# Altium PCB slave.PcbDoc (part 2 of 7)
Units mm, origin at the board's own origin, x right, y up, seen from the top; angles counter-clockwise.
Board outline 260 x 70 mm, 6 copper layers (Top, FUSED_VBAT-, Signals1, Signals2, SUPPLY, Bottom), stack 1.67 mm thick; 597 components, 381 nets, 1695 pads, 3029 vias.
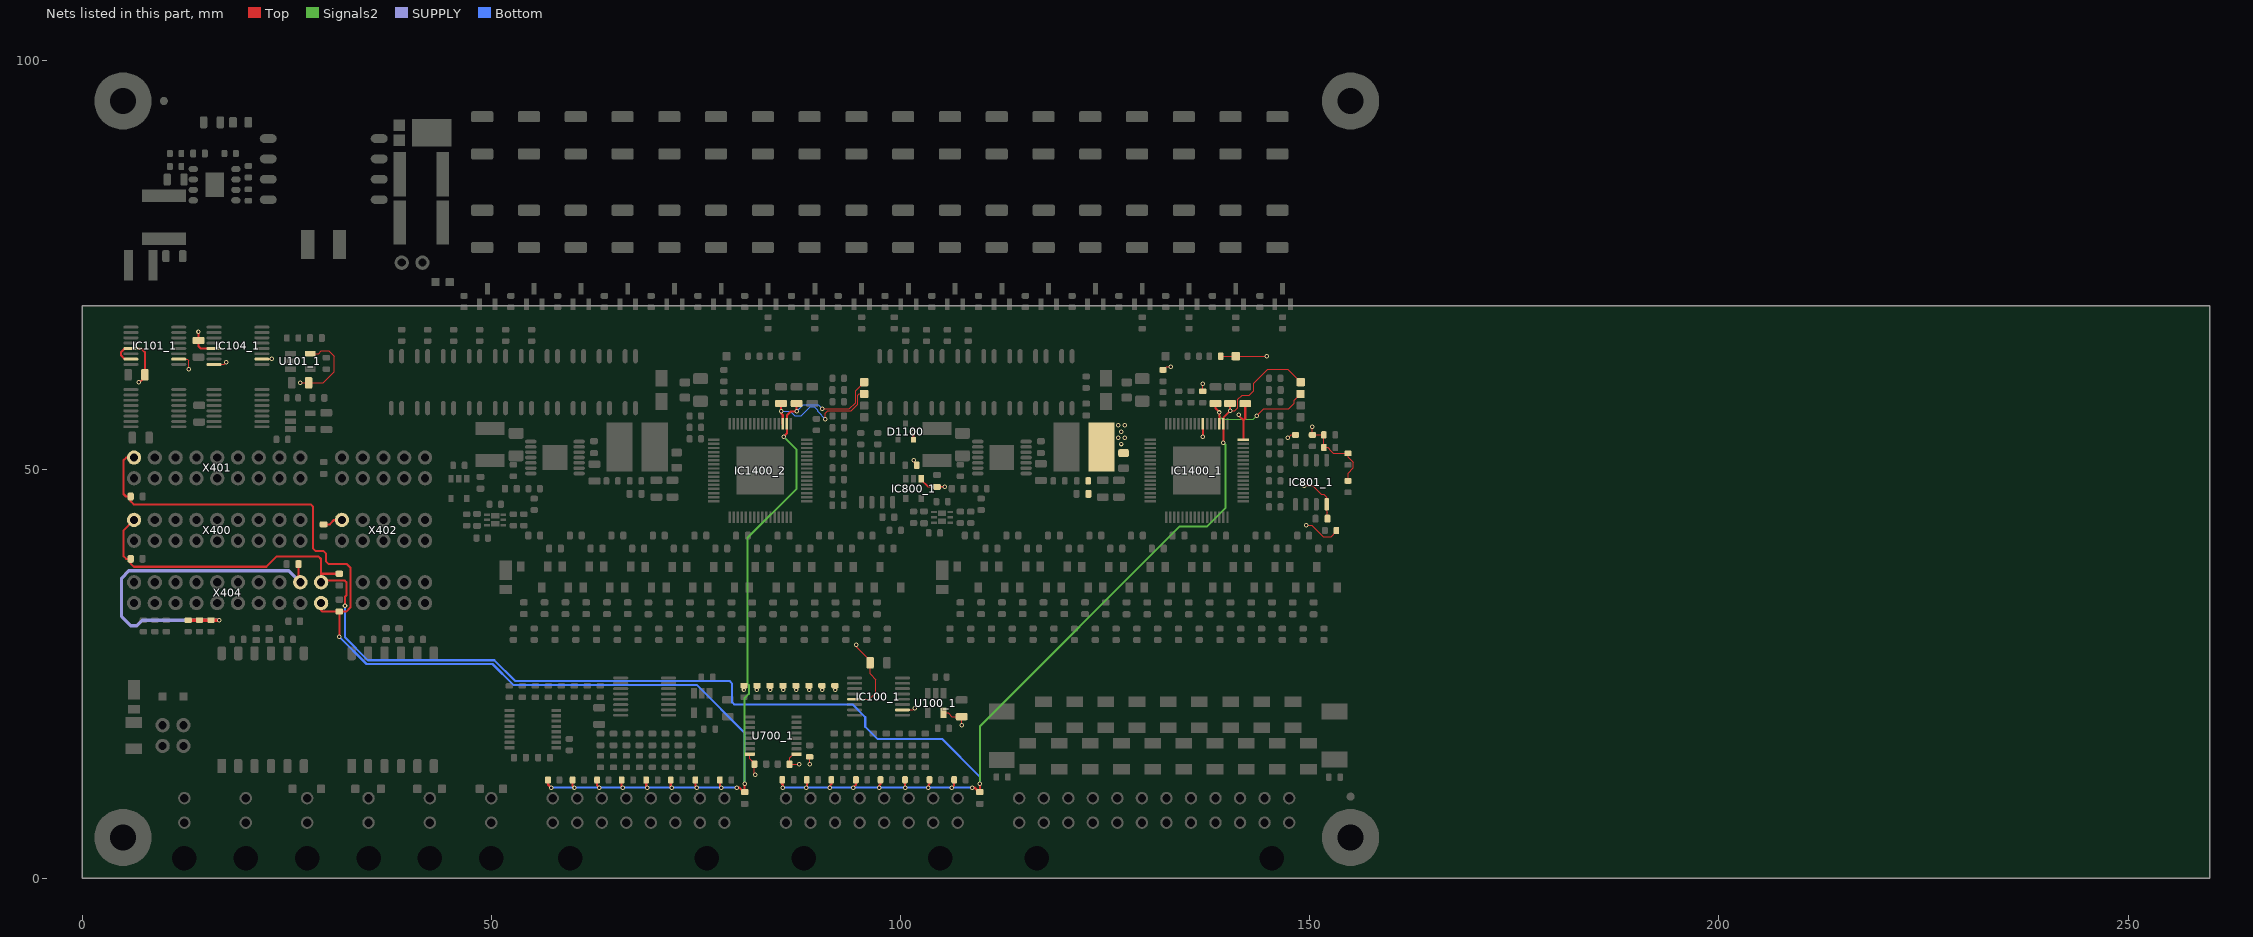
[diagram p6: the nets of this part, all layers, seen from the top]

## Components (designator, comment, footprint, x,y, rotation, side; value= is the part's Value field where it differs from the comment) (continued)
Z1312_1 "MMSZ4692T1G" ONSC-SOD-123-2-425-04_V 108.585,38.1 r0 top locked (schematic designator Z1312)
Z1312_2 "MMSZ4692T1G" ONSC-SOD-123-2-425-04_V 55.245,38.1 r0 top locked (schematic designator Z1312)
Z1313_1 "MMSZ4692T1G" ONSC-SOD-123-2-425-04_V 111.125,35.56 r0 top locked (schematic designator Z1313)
Z1313_2 "MMSZ4692T1G" ONSC-SOD-123-2-425-04_V 57.785,35.56 r0 top locked (schematic designator Z1313)
Z1314_1 "MMSZ4692T1G" ONSC-SOD-123-2-425-04_V 113.665,38.1 r0 top locked (schematic designator Z1314)
Z1314_2 "MMSZ4692T1G" ONSC-SOD-123-2-425-04_V 60.325,38.1 r0 top locked (schematic designator Z1314)
Z1315_1 "MMSZ4692T1G" ONSC-SOD-123-2-425-04_V 116.205,35.56 r0 top locked (schematic designator Z1315)
Z1315_2 "MMSZ4692T1G" ONSC-SOD-123-2-425-04_V 62.865,35.56 r0 top locked (schematic designator Z1315)
Z1316_1 "MMSZ4692T1G" ONSC-SOD-123-2-425-04_V 118.725,38.1 r0 top locked (schematic designator Z1316)
Z1316_2 "MMSZ4692T1G" ONSC-SOD-123-2-425-04_V 65.405,38.1 r0 top locked (schematic designator Z1316)
Z1317_1 "MMSZ4692T1G" ONSC-SOD-123-2-425-04_V 121.285,35.56 r0 top locked (schematic designator Z1317)
Z1317_2 "MMSZ4692T1G" ONSC-SOD-123-2-425-04_V 67.945,35.56 r0 top locked (schematic designator Z1317)

## Footprints (in the part's own frame and the unit in brackets; to place one, negate y for a bottom-side part, rotate by r counter-clockwise, add the part's x,y. Pads: shape width x height; smd on the part's side, far side on the other; paste and mask are expansions set on the pad)
ADI-RJ-5_M [mm] "SOT-23, 5-Leads, Body 2.9x1.6mm, Pitch 0.95mm, IPC Low Density"
  rect 1.3x0.7 smd: 1(-1.2,0.95) 2(-1.2,0) 3(-1.2,-0.95) 4(1.2,-0.95) 5(1.2,0.95)
  silkscreen extent -1.32,-1.5 0.15,1.98, body extent -0.85,-1.5 0.85,1.5, height 1.45
ADI-RU-16_M [mm] "SOP, 16-Leads, Body 5x4.4mm, Pitch 0.65mm, IPC Low Density"
  oval 1.85x0.35 smd: 1(-2.925,2.275) 2(-2.925,1.625) 3(-2.925,0.975) 4(-2.925,0.325) 5(-2.925,-0.325) 6(-2.925,-0.975) 7(-2.925,-1.625) 8(-2.925,-2.275) 9(2.925,-2.275) 10(2.925,-1.625) 11(2.925,-0.975) 12(2.925,-0.325) 13(2.925,0.325) 14(2.925,0.975) 15(2.925,1.625) 16(2.925,2.275)
  silkscreen extent -3.05,-2.55 1.6,3.12, body extent -2.25,-2.55 2.25,2.55, height 1.2
CAPC1608X08N [mm] "Chip Capacitor, 2-Leads, Body 1,60x0,80mm, IPC Medium Density"
  rrect50% 0.75x0.95 smd: 1(-0.725,0) 2(0.725,0)
  body extent -0.85,-0.45 0.85,0.45, height 0.8
CAPC2012X14N [mm] "Chip Capacitor, 2-Leads, Body 2,00x1,25mm, IPC Medium Density"
  rrect40% 0.9x1.45 smd: 1(-1.025,0) 2(1.025,0)
  silkscreen extent -0.2,-0.63 0.2,0.63, body extent -1.1,-0.72 1.1,0.72, height 1.45
CAPC2220(5750)230_N [mm] "Chip Capacitor, Body 5.7x5.0mm, Height 2.3mm, IPC Medium Density"
  rect 1.55x5.4 smd: 1(-2.625,0) 2(2.625,0)
  silkscreen extent -1.45,-2.6 1.45,2.6, body extent -3.05,-2.7 3.05,2.7, height 2.3
CAPC3216X18N [mm] "Chip Capacitor, 2-Leads, Body 3,20x1,60mm, IPC Medium Density"
  rrect30% 1.35x1.8 smd: 1(-1.375,0) 2(1.375,0)
  silkscreen extent -0.3,-0.8 0.3,0.8, body extent -1.7,-0.9 1.7,0.9, height 1.8
CAPC4532X16N [mm] "Chip Capacitor, 2-Leads, Body 4,50x3,20mm, IPC Medium Density"
  rect 1.6x3.5 smd: 1(-1.95,0) 2(1.95,0)
  silkscreen extent -0.75,-1.65 0.75,1.65, body extent -2.4,-1.75 2.4,1.75, height 1.55
DIOD-POWERDI123-2_V [mm] "SOD, 2-Leads, Body 2.8x1.78mm"
  rect 1.05x1.5 smd: 1(-1.525,0)
  rect 2.4x1.5 smd: 2(0.85,0)
  silkscreen extent 2.55,-0.89 2.55,0.89, body extent -1.4,-0.89 1.4,0.89, height 1.01
Fiducial_2 [mm] "Fiducial Round 1mm"
  round 1 smd paste-0.5 mask+0.5: 0(0,0)
  Top keep-out circle w0.2: c0,0 r0.9
HM2102NL [mil]
  rect 67.5x40 smd: 1(-271.65,196.85)
  rrect50% 67.5x40 smd: 2(-271.65,117.85) 3(-271.65,38.85) 4(-271.65,-40.15) 5(-271.65,-119.15) 6(-271.65,-198.15) 7(270.85,-198.15) 8(270.85,-119.15) 9(270.85,-40.15) 10(270.85,38.85) 11(270.85,117.85) 12(270.85,196.85)
  silkscreen extent -224,-300 224,300, body extent -224,-299 224,299, height 197
Hole_3.2_Iso [mm]
  round 7 hole 3.2: Hole_3.2(0,0)
LEDC1608X07N [mm] "LED, 2-Leads, Body 1,60x0,80mm, IPC Medium Density"
  rrect50% 0.7x0.9 smd: 1(-0.7,0) 2(0.7,0)
  silkscreen extent -1.35,0.35 -1.25,0.45, body extent -0.8,-0.4 0.8,0.4, height 0.7
LITTLEFUSE_448 [mm] "Littlefuse 448 Series, 2-Leads, Body 6,10x2,69mm, IPC Medium Density"
  rect 1.96x3.15 smd: 1(-2.95,0) 2(2.95,0)
  silkscreen extent -1.1,-1.47 1.1,1.48, body extent -3.15,-1.47 3.15,1.47, height 2.94
LITTLEFUSE_466 [mm] "Littlefuse 466 Series, 2-Leads, Body 3,18x1,52mm"
  rect 1.3x2.03 smd: 1(-1.59,0) 2(1.59,0)
  silkscreen extent -0.55,-0.92 0.55,0.91, body extent -1.65,-0.82 1.65,0.82, height 0.66
LT-S8E-8_V [mm] "SOIC, 8-Leads, Body 4.9x3.9mm, Pitch 1.27mm, Thermal Pad 3.25x2.26mm, Recommended"
  oval 1.143x0.76 smd: 1(-2.602,1.905) 2(-2.602,0.635) 3(-2.602,-0.635) 4(-2.602,-1.905) 5(2.601,-1.905) 6(2.601,-0.635) 7(2.601,0.635) 8(2.601,1.905)
  rect 2.26x2.99 smd: 9(0,0)
  silkscreen extent -2.73,-2.5 1.62,2.96, body extent -3.01,-2.45 3.01,2.45, height 1.75
MOLEX_MICROFIT_01x2_THT [mil] "Micro-Fit 3.0 Right Angle Header, 3.00mm Pitch, Dual Row, 2 Circuits, with Snap-in Plastic Peg PCB Lock, Tin, Glow Wire Capable, Black, 43045-0200"
  round 60 hole 40: 1(0,-170) 2(0,-287.99)
  round 39.37 hole 117.99 unplated paste+0 mask+4: ""(0,0)
  silkscreen extent -137,-209 137,85, body extent -141,-301 141,181, height 345
MOLEX_MICROFIT_08x2_THT [mil] "Micro-Fit 3.0 Right Angle Header, 3.00mm Pitch, Dual Row, 16 Circuits, with Snap-in Plastic Peg PCB Lock, Tin, Glow Wire Capable, Black, 43045-1600"
  round 60 hole 40: 1(-412.99,-170) 2(-295,-170) 3(-177.01,-170) 4(-59.02,-170) 5(59.02,-170) 6(177.01,-170) 7(295,-170) 8(412.99,-170) 9(-412.99,-287.99) 10(-295,-287.99) 11(-177.01,-287.99) 12(-59.02,-287.99) 13(59.02,-287.99) 14(177.01,-287.99) 15(295,-287.99) 16(412.99,-287.99)
  round 39.37 hole 117.99 unplated paste+0 mask+4: ""(-328.5,0) ""(328.5,0)
  silkscreen extent -551,-209 551,85, body extent -554,-301 554,181, height 345
MOLEX_MICROFIT_12x2_THT [mil] "Micro-Fit 3.0 Right Angle Header, 3.00mm Pitch, Dual Row, 24 Circuits, with Snap-in Plastic Peg PCB Lock, Tin, Glow Wire Capable, Black, 43045-2400"
  round 60 hole 40: 1(-649.49,-170) 2(-530.98,-170) 3(-412.99,-170) 4(-295,-170) 5(-177.01,-170) 6(-59.02,-170) 7(59.02,-170) 8(177.01,-170) 9(295,-170) 10(412.99,-170) 11(530.98,-170) 12(649.49,-170) 13(-649.49,-287.99) 14(-530.98,-287.99) 15(-412.99,-287.99) 16(-295,-287.99) 17(-177.01,-287.99) 18(-59.02,-287.99) 19(59.02,-287.99) 20(177.01,-287.99) 21(295,-287.99) 22(412.99,-287.99) 23(530.98,-287.99) 24(649.49,-287.99)
  round 39.37 hole 117.99 unplated paste+0 mask+4: ""(-565,0) ""(565,0)
  silkscreen extent -789,-209 790,85, body extent -790,-301 790,181, height 345
NXP-SOT23-3_V [mm] "SOT23, 3-Leads, Body 1.3x2.9mm, Pitch 0.95mm"
  rect 0.6x0.7 smd paste-0.05: 1(0.95,1) 2(-0.95,1) 3(0,-1)
  silkscreen extent -1.45,-0.65 1.45,1.79, body extent -1.45,-0.65 1.45,0.65, height 1.1
NXP-SOT23_N [mm] "SOT23, 3-Leads, Body 3x1.4mm, Pitch 0.95mm, IPC Medium Density"
  rect 1.4x0.6 smd: 1(-0.95,0.95) 2(-0.95,-0.95) 3(0.95,0)
  silkscreen extent -1.07,-1.5 0.7,1.92, body extent -0.7,-1.5 0.7,1.5, height 1.1
ONSC-SOD-123-2-425-04_V [mm] "SOD, 2-Leads, Body 2.69x1.6mm"
  rect 0.91x1.22 smd: 1(-1.635,0) 2(1.635,0)
  silkscreen extent -1.76,-0.8 0.78,1.28, body extent -1.35,-0.8 1.35,0.8, height 1.35
PBSS4112PANP [mm]
  rect 0.7x0.3 smd: 1(-0.995,0.65) 2(-0.995,0) 3(-0.995,-0.65) 4(0.995,-0.65) 5(0.995,0) 6(0.995,0.65)
  rect 1x0.67 smd: 7(0,0.49) 8(0,-0.49)
  silkscreen extent -1.5,-1.2 1.05,1.25, body extent -1.05,-1.05 1.05,1.05, height 0.65
Pinheader_2.54_2 [mm] "Pinheader, 2.54mm, gerade"
  round 1.75 hole 1: 1(-1.27,0) 2(1.27,0)
  silkscreen extent -2.47,-1.2 2.47,1.2, body extent -2.54,-1.27 2.54,1.27, height 8.74
Pinheader_2.54_2x2 [mm] "Pinheader, 2.54mm, gerade, 2-reihig"
  round 1.75 hole 1: 1(-1.27,-1.27) 2(-1.27,1.27) 3(1.27,-1.27) 4(1.27,1.27)
  silkscreen extent -2.47,-2.47 2.47,2.47, body extent -2.54,-2.54 2.54,2.54, height 8.74
Pinheader_2.54_2x4 [mm] "Pinheader, 2.54mm, gerade, 2-reihig"
  round 1.75 hole 1: 1(-3.81,-1.27) 2(-3.81,1.27) 3(-1.27,-1.27) 4(-1.27,1.27) 5(1.27,-1.27) 6(1.27,1.27) 7(3.81,-1.27) 8(3.81,1.27)
  silkscreen extent -5.01,-2.47 5.01,2.47, body extent -5.08,-2.54 5.08,2.54, height 8.74
Pinheader_2.54_2x5 [mm]
  round 1.75 hole 1: 1(-5.08,-1.27) 2(-5.08,1.27) 3(-2.54,-1.27) 4(-2.54,1.27) 5(0,-1.27) 6(0,1.27) 7(2.54,-1.27) 8(2.54,1.27) 9(5.08,-1.27) 10(5.08,1.27)
  silkscreen extent -6.28,-2.47 6.28,2.47, body extent -6.35,-2.54 6.35,2.54, height 8.74
Pinheader_2.54_2x9 [mm] "Pinheader, 2.54mm, gerade, 2-reihig"
  round 1.75 hole 1: 1(-10.16,-1.27) 2(-10.16,1.27) 3(-7.62,-1.27) 4(-7.62,1.27) 5(-5.08,-1.27) 6(-5.08,1.27) 7(-2.54,-1.27) 8(-2.54,1.27) 9(0,-1.27) 10(0,1.27) 11(2.54,-1.27) 12(2.54,1.27) 13(5.08,-1.27) 14(5.08,1.27) 15(7.62,-1.27) 16(7.62,1.27) 17(10.16,-1.27) 18(10.16,1.27)
  silkscreen extent -11.43,-2.47 11.43,2.47, body extent -11.43,-2.54 11.43,2.54, height 8.74
Pinheader_2.54_2x10 [mm] "Pinheader, 2.54mm, gerade, 2-reihig"
  round 1.75 hole 1: 1(-11.43,-1.27) 2(-11.43,1.27) 3(-8.89,-1.27) 4(-8.89,1.27) 5(-6.35,-1.27) 6(-6.35,1.27) 7(-3.81,-1.27) 8(-3.81,1.27) 9(-1.27,-1.27) 10(-1.27,1.27) 11(1.27,-1.27) 12(1.27,1.27) 13(3.81,-1.27) 14(3.81,1.27) 15(6.35,-1.27) 16(6.35,1.27) 17(8.89,-1.27) 18(8.89,1.27) 19(11.43,-1.27) 20(11.43,1.27)
  silkscreen extent -12.7,-2.47 12.7,2.47, body extent -12.7,-2.54 12.7,2.54, height 8.74
PowerDI5 [mm] "PowerDI5, 3-Leads, Body 3,97x6,50mm"
  rect 4.86x3.36 smd: 1(1.126,0)
  rect 1.39x1.4 smd: 2(-2.856,0.92) 3(-2.856,-0.92)
  silkscreen extent -1.88,-2.05 3.63,2.32, body extent -3.25,-2.02 3.25,2.02, height 1.15
PW0016A_L [mm] "SOP, 16-Leads, Body 5.1x4.5mm, Pitch 0.65mm, IPC High Density"
  rrect25% 1.2x0.4 smd: 1(-2.85,2.275) 2(-2.85,1.625) 3(-2.85,0.975) 4(-2.85,0.325) 5(-2.85,-0.325) 6(-2.85,-0.975) 7(-2.85,-1.625) 8(-2.85,-2.275) 9(2.85,-2.275) 10(2.85,-1.625) 11(2.85,-0.975) 12(2.85,-0.325) 13(2.85,0.325) 14(2.85,0.975) 15(2.85,1.625) 16(2.85,2.275)
  silkscreen extent -2.98,-2.55 1.85,3.15, body extent -3.21,-2.5 3.21,2.5, height 1
PWP0014A [mm] "TI PWP0014A Package"
  oval 1.4x0.45 smd: 1(-2.95,1.95) 2(-2.95,1.3) 3(-2.95,0.65) 4(-2.95,0) 5(-2.95,-0.65) 6(-2.95,-1.3) 7(-2.95,-1.95) 8(2.95,-1.95) 9(2.95,-1.3) 10(2.95,-0.65) 11(2.95,0) 12(2.95,0.65) 13(2.95,1.3) 14(2.95,1.95)
  rect 3x3.1 smd: 15(0,0)
  silkscreen extent -3.07,-2.55 1.85,2.85, body extent -3.2,-2.55 3.2,2.55, height 1.2
RESC1608X05N [mm] "Chip Resistor, 2-Leads, Body 1,60x0,80mm, IPC Medium Density"
  rrect50% 0.7x0.9 smd: 1(-0.7,0) 2(0.7,0)
  body extent -0.85,-0.45 0.85,0.45, height 0.45
RESC2012X05N [mm] "Chip Resistor, 2-Leads, Body 2,00x1,20mm, IPC Medium Density"
  rrect40% 0.95x1.3 smd: 1(-0.925,0) 2(0.925,0)
  silkscreen extent -0.05,-0.55 0.05,0.55, body extent -1.05,-0.65 1.05,0.65, height 0.5
RESC5025X07N [mm] "Chip Resistor, 2-Leads, Body 5,00x2,50mm, IPC Medium Density"
  rrect30% 1.35x2.7 smd: 1(-2.275,0) 2(2.275,0)
  silkscreen extent -1.2,-1.25 1.2,1.25, body extent -2.6,-1.35 2.6,1.35, height 0.7
SOIC127P600X175-8N [mm] "SOIC, 8-Leads, Body 4,90x3,90mm, Pitch 1,27mm, IPC Medium Density"
  rrect50% 1.5x0.6 smd: 1(-2.7,1.905) 2(-2.7,0.635) 3(-2.7,-0.635) 4(-2.7,-1.905) 5(2.7,-1.905) 6(2.7,-0.635) 7(2.7,0.635) 8(2.7,1.905)
  silkscreen extent -2.8,-2.45 1.55,2.8, body extent -3,-2.45 3,2.45, height 1.75
SOIC127P700X220-4N [mm] "SOIC, 4-Leads, Body 2,60x4,40mm, Pitch 1,27mm, IPC Medium Density"
  oval 1.75x0.6 smd: 1(-3.175,0.635) 2(-3.175,-0.635) 3(3.175,-0.635) 4(3.175,0.635)
  silkscreen extent -3.3,-1.45 1.9,1.61, body extent -3.5,-1.45 3.5,1.45, height 2.2
SOT-23-OT5_L [mm] "SOT23, 5-Leads, Body 2.9x1.7mm, Pitch 0.95mm, Lead Span 2.8mm, IPC High Density"
  rect 0.9x0.65 smd: 1(-1.2,0.95) 2(-1.2,0) 3(-1.2,-0.95) 4(1.2,-0.95) 5(1.2,0.95)
  silkscreen extent -1.32,-1.55 0.35,1.95, body extent -0.9,-1.55 0.9,1.55, height 1.45
Testpoint_S1 [mm] "Testpunkt, quardratisch 1mm"
  rrect20% 1x1 smd paste-0.5: 1(0,0)
TSQFP50P1200X1200X160_HS-65N [mm] "TSQFP, 64-Leads, Body 10,00x10,00mm, Pitch 0,50mm, Thermal Pad 5,84x5,84mm, IPC Medium Density"
  rect 1.4x0.3 smd: 1(-5.7,3.75) 2(-5.7,3.25) 3(-5.7,2.75) 4(-5.7,2.25) 5(-5.7,1.75) 6(-5.7,1.25) 7(-5.7,0.75) 8(-5.7,0.25) 9(-5.7,-0.25) 10(-5.7,-0.75) 11(-5.7,-1.25) 12(-5.7,-1.75) 13(-5.7,-2.25) 14(-5.7,-2.75) 15(-5.7,-3.25) 16(-5.7,-3.75) 33(5.7,-3.75) 34(5.7,-3.25) 35(5.7,-2.75) 36(5.7,-2.25) 37(5.7,-1.75) 38(5.7,-1.25) 39(5.7,-0.75) 40(5.7,-0.25) 41(5.7,0.25) 42(5.7,0.75) 43(5.7,1.25) 44(5.7,1.75) 45(5.7,2.25) 46(5.7,2.75) 47(5.7,3.25) 48(5.7,3.75)
  rect 0.3x1.4 smd: 17(-3.75,-5.7) 18(-3.25,-5.7) 19(-2.75,-5.7) 20(-2.25,-5.7) 21(-1.75,-5.7) 22(-1.25,-5.7) 23(-0.75,-5.7) 24(-0.25,-5.7) 25(0.25,-5.7) 26(0.75,-5.7) 27(1.25,-5.7) 28(1.75,-5.7) 29(2.25,-5.7) 30(2.75,-5.7) 31(3.25,-5.7) 32(3.75,-5.7) 49(3.75,5.7) 50(3.25,5.7) 51(2.75,5.7) 52(2.25,5.7) 53(1.75,5.7) 54(1.25,5.7) 55(0.75,5.7) 56(0.25,5.7) 57(-0.25,5.7) 58(-0.75,5.7) 59(-1.25,5.7) 60(-1.75,5.7) 61(-2.25,5.7) 62(-2.75,5.7) 63(-3.25,5.7) 64(-3.75,5.7)
  rect 5.84x5.84 smd: 65(0,0)
  silkscreen extent -5.82,-4.6 4.6,4.6, body extent -6,-6 6,6, height 1.6
TYS6045221M-10 [mm] "Precision Wire Wound Inductor, 2-Leads, Body 6,00x6,00mm, IPC Medium Density"
  rect 3.2x6 smd: 1(-2.15,0) 2(2.15,0)
  silkscreen extent -4.05,-3.15 0.15,3.15, body extent -3.1,-3 3.1,3, height 4.8
VISH-DO-214AC-2_L [mm] "DO-214AC, 2-Leads, Body 4.5x2.79mm, IPC High Density"
  rect 2.05x1.45 smd: 1(-1.425,0) 2(1.425,0)
  silkscreen extent -3.12,-1.4 2.25,1.4, body extent -2.25,-1.4 2.25,1.4, height 2.29
"WE-LQS 4018" [mm] "SMD Power Inductor, 2-Leads, Body 4.0x4.0mm"
  rect 1.1x3.7 smd: 1(-1.5,0) 2(1.5,0)
  body extent -2,-2 2,2, height 1.78
WE_750313457 [mm] "Würth Elektronik 750313457"
  oval 2.08x1.07 smd: 1(-6.78,-3.735) 2(-6.78,-1.245) 3(-6.78,1.245) 4(-6.78,3.735) 5(6.78,3.735) 6(6.78,1.245) 7(6.78,-1.245) 8(6.78,-3.735)
  silkscreen extent -6.98,-6.65 5.43,6.65, body extent -7.62,-6.65 7.62,6.65, height 11.44

## Part data
C100_1 C100_2 C400 C401 C402 C403 C404 C405 C406 C407 C602_1 C602_2 C604_1 C604_2 C607_1 C607_2 C700_1 C700_2 C701_1 C701_2 C800_1 C800_2 C801_1 C801_2 C903 C1100: library part gen_C_ceramic_100n_50V_X7R_0603, "MLCC", Capacitance=100n, Case EIA=0603, Case Metric=1608, Dielectric=X7R, PnP Package=C_0603_10, PnP Value=100n/50V/X7R, Rated Voltage=50V, Supplier Part Number 1=2525267, Automotive Qualified=True, Part Number=gen_C_ceramic_100n_50V_X7R_0603, PnP equipped=x, Supplier 1=Farnell, Supplier 2=Digikey, Supplier 3=Farnell, Supplier Part Number 2=490-6049-1-ND, Supplier Part Number 3=2070398
C101_1 C101_2 C102_1 C102_2 C103_1 C103_2 C104_1 C104_2 C105_1 C105_2 C603_1 C603_2 C900 C904 C1401_1 C1401_2 C1402_1 C1402_2 C1403_1 C1403_2: library part gen_C_ceramic_1u_50V_X7R_0805, "MLCC", Capacitance=1u, Case EIA=0805, Case Metric=2012, Dielectric=X7R, Operating Temperature="-55°C - +125°C", Rated Voltage=50V, Supplier Part Number 1=2672199, Tolerance="± 10%", Automotive Qualified=True, AVT Set=x, Part Number=gen_C_ceramic_1u_50V_X7R_0805, Supplier 1=Farnell, Supplier 2=Farnell, Supplier 3=Farnell, Supplier Part Number 2=2479894, Supplier Part Number 3=2464630
C106_1 C106_2 C107_1 C107_2 C108_1 C108_2 C109_1 C109_2 C110_1 C110_2 C111_1 C111_2 C112_1 C112_2 C113_1 C113_2 C114_1 C114_2 C115_1 C115_2 C608_1 C608_2 C1300_1 C1300_2 C1301_1 C1301_2 C1302_1 C1302_2 C1303_1 C1303_2 C1304_1 C1304_2 C1305_1 C1305_2 C1306_1 C1306_2 C1307_1 C1307_2 C1308_1 C1308_2 C1309_1 C1309_2 C1310_1 C1310_2 C1311_1 C1311_2 C1312_1 C1312_2 C1313_1 C1313_2 C1314_1 C1314_2 C1315_1 C1315_2 C1316_1 C1316_2 C1317_1 C1317_2 C1318_1 C1318_2 C1319_1 C1319_2 C1320_1 C1320_2 C1321_1 C1321_2 C1322_1 C1322_2 C1323_1 C1323_2 C1324_1 C1324_2 C1325_1 C1325_2 C1326_1 C1326_2 C1327_1 C1327_2 C1328_1 C1328_2 C1329_1 C1329_2 C1330_1 C1330_2 C1331_1 C1331_2 C1332_1 C1332_2 C1333_1 C1333_2 C1334_1 C1334_2 C1335_1 C1335_2: library part gen_C_ceramic_10n_100V_X7R_0603, "MLCC", Capacitance=10n, Case EIA=0603, Case Metric=1608, Dielectric=X7R, Rated Voltage=100V, Supplier Part Number 1=1301715, Automotive Qualified=True, Part Number=gen_C_ceramic_10n_100V_X7R_0603, Supplier 1=Farnell, Supplier 2=Farnell, Supplier 3=Farnell, Supplier Part Number 2=2821192, Supplier Part Number 3=2210878
C600_1 C600_2: library part gen_C_ceramic_1u_250V_X7R_1812, "MLCC", Capacitance=1u, Case EIA=1812, Case Metric=4532, Dielectric=X7T, Rated Voltage=250V, Supplier Part Number 1=2435499, Automotive Qualified=True, Part Number=gen_C_ceramic_1u_250V_X7R_1812, Supplier 1=Farnell
C601_1 C601_2 C1400_1 C1400_2: library part gen_C_ceramic_100n_200V_X7R_1206, "MLCC", Capacitance=100n, Case EIA=1206, Case Metric=3216, Dielectric=X7R, Rated Voltage=200V, Supplier Part Number 1=2673161, Automotive Qualified=True, Part Number=gen_C_ceramic_100n_200V_X7R_1206, Supplier 1=Farnell, Supplier 2=Farnell, Supplier Part Number 2=2520773
C605_1 C605_2 C606_1 C606_2: library part gen_C_ceramic_2u2_10V_X7R_0805, "MLCC", Capacitance=2u2, Case EIA=0805, Case Metric=2012, Dielectric=X7R, Rated Voltage=10V, Supplier Part Number 1=2478259, Automotive Qualified=True, Part Number=gen_C_ceramic_2u2_10V_X7R_0805, Supplier 1=Farnell, Supplier 2=Farnell, Supplier Part Number 2=2070513
C902: library part gen_C_ceramic_22u_50V_X7R_2220_stacked, "MLCC", Capacitance=22u, Case EIA=2220, Case Metric=5750, Dielectric=X7R, Rated Voltage=50V, Supplier Part Number 1=399-5797-1-ND, Automotive Qualified=True, Part Number=gen_C_ceramic_22u_50V_X7R_2220_stacked, Supplier 1=Digikey
C905: library part gen_C_ceramic_470p_100V_X7R_0805, "MLCC", Capacitance=470p, Case EIA=0805, Case Metric=2012, Dielectric=X7R, Rated Voltage=100V, Supplier Part Number 1=2070482, Automotive Qualified=True, Part Number=gen_C_ceramic_470p_100V_X7R_0805, Supplier 1=Farnell
C906: library part gen_C_ceramic_4n7_1000V_X7R_1812, "MLCC", Capacitance=4n7, Case EIA=1812, Case Metric=4532, Dielectric=X7R, Rated Voltage=1000V, Supplier Part Number 1=2834565, Automotive Qualified=True, Part Number=gen_C_ceramic_4n7_1000V_X7R_1812, Supplier 1=Farnell
C907 C908: library part gen_C_ceramic_2u2_250V_X7R_2220, "MLCC", Capacitance=2u2, Case EIA=2220, Case Metric=5750, Dielectric=X7R, Rated Voltage=250V, Supplier Part Number 1=445-7997-2-ND, Automotive Qualified=True, Part Number=gen_C_ceramic_2u2_250V_X7R_2220, Supplier 1=Digikey
C1404_1 C1404_2 C1405_1 C1405_2: library part gen_C_ceramic_100p_50V_C0G_0603, "MLCC", Capacitance=100p, Case EIA=0603, Case Metric=1608, Dielectric=C0G, Rated Voltage=50V, Supplier Part Number 1=2478236, Tolerance="± 10%", Automotive Qualified=True, Part Number=gen_C_ceramic_100p_50V_C0G_0603, Supplier 1=Farnell
D900 D1400_1 D1400_2: library part CMP-2000-05099-1, "1 A High Voltage Schottky Barrier Rectifier, 0.62 V, -55 to 175 degC, 2- Pin POWERDI123, Pb-Free, Tape and Reel", Average Rectified Current-Max=1A, Forward Voltage=0.77V, Manufacturer="Diodes Inc", Peak Current-Max=40A, Reverse Current-Max=1µA, Reverse Voltage-Max [Vrrm]=100V, Datasheet URL=https://datasheet.ciiva.com/15144/getdatasheetpartid-44146-15144126.pdf, Datasheet Version=Sep-14, Manufacturer URL=http://www.diodes.com/
D901: library part PDS3200-13, "Schottky Diode 3A 200V 780mV", Breakdown Voltage=200V, Continuous Forward Current=3A, Manufacturer="DIODES Inc", Operating Temperature="-65°C - +150°C", Supplier Part Number 1=1713904, Automotive Qualified=True, ComponentLink1Description=Datasheet, ComponentLink1URL=http://www.farnell.com/datasheets/2238298.pdf, Part Name=PDS3200, Part Number=PDS3200-13, Supplier 1=Farnell
D1100: library part CMP-2000-04915-1, "Schottky Barrier Diode, 30 V, 3-Pin SOT23, RoHS, Tape and Reel", Current Ifsm=600mA, Diode Case Style=SOT-23, Forward Current If(AV)=200mA, Forward Voltage=800mV, Junction Temperature Tj Max=125degC, Manufacturer="NXP Semiconductors", Operating Temperature Max=150degC, Operating Temperature Min=-65degC, Operating Temperature Range=-65degCto+150degC, Package Description="3-Pin Small Outline Transistor, Body 1.3 x 2.9 mm, Pitch 0.95 mm", Package Reference=SOT23-3, Package Version=Feb-16, Repetitive Reverse Voltage Vrrm Max=30V, Common Connection=Cathode, Datasheet URL=https://datasheet.ciiva.com/33723/1668625-33723936.pdf, Datasheet Version="Rev. 5 , 10/2012", Diode Type=Schottky, Forward Surge Current Ifsm Max=600mA, Forward Voltage VF Max=800mV, Manufacturer URL=http://www.nxp.com/, No. of Pins=3, Package / Case=SOT-23, Package URL=http://www.nxp.com/documents/outline_drawing/SOT23.pdf, Pin Configuration=1A1,2A2,3comK, Reel Quantity=3000, Reverse Recovery Time trr Max=5ns, Reverse Recovery Time trr Typ=5ns, SMD Marking=L43/*W1, SVHC=NoSVHC(19-Dec-2012), Tape Width=8mm, Termination Type=SMD
D1401_1 D1401_2: library part CMP-0548-00243-2, "Transient Voltage Suppressor, 6.40 to 231 V, 85 V Stand-off Voltage, Uni-Directional, -55 to 155 degC, 2-pin DO-214AC, Pb-Free, Tape and Reel", Manufacturer="Vishay Semiconductor", Operating Junction and Storage Temperature Range="-55 to 150 degC", ComponentLink1Description="Manufacturer URL", ComponentLink1URL=http://www.vishay.com/, ComponentLink2Description=Datasheet, ComponentLink2URL=http://www.vishay.com/docs/88390/smaj50a.pdf, ComponentLink3Description="Package Specification", ComponentLink3URL=http://www.vishay.com/docs/88390/smaj50a.pdf, DatasheetVersion=12/8/2013, ID (uA)=1, IFSM="40 A", Mounting Technology="Surface Mount", PackageDescription="2-Pin DO-214AC (SMA), Body 4.245 x 2.665 mm", PackageReference=DO-214AC-2, Packing="Tape and Reel", PartNumber=SMAJ85A-E3/61, PPPM (W)="400, 300", RoHS=TRUE, VBR Uni-Directional (V)="6.4 to 231", VWM (V)=85
F300 F320: "Fuse, Surface Mount, NANO2 Series, 500 mA, 125 VAC, 32 VDC, Very Fast Acting, SMD", Manufacturer=Littlefuse, Operating Temperature="-55°C - +125°C", Supplier Part Number 1=1596919, Automotive Qualified=False, ComponentLink1Description=Datasheet, ComponentLink1URL=http://www.farnell.com/datasheets/1792947.pdf, Part Number=fuse_0.5A_0448.500MR, Supplier 1=Farnell
F301 F302 F303 F304 F305 F306 F307 F308 F309 F310 F311 F312 F313 F314 F315 F316 F317 F318 F319: "Fuse, Surface Mount, 466 Series, 250 mA, 125 VAC, 125 VDC, Very Fast Acting, 1206", Manufacturer=Littlefuse, Operating Temperature="-55°C - +90°C", Supplier Part Number 1=9921826, Automotive Qualified=False, ComponentLink1Description=Datasheet, ComponentLink1URL=http://www.farnell.com/datasheets/1796765.pdf, Part Number=fuse_0.25A_0466.250NR, Supplier 1=Farnell
F900: "Fuse, Surface Mount, 466 Series, 1.25 A, 63 VAC, 63 VDC, Very Fast Acting, 1206", Manufacturer=Littlefuse, Operating Temperature="-55°C - +90°C", Supplier Part Number 1=1596526, Automotive Qualified=False, ComponentLink1Description=Datasheet, ComponentLink1URL=http://www.farnell.com/datasheets/1796765.pdf, Part Number=fuse_1.25A_04661.25NR, Supplier 1=Farnell
IC100_1 IC100_2 IC101_1 IC101_2 IC104_1 IC104_2: library part CMP-0798-00197-1, "CMOS, Low Voltage, 2-Wire Serially Controlled, Matrix Switch, -40 to 85 degC, 16-pin SOP (RU-16), Tube", Manufacturer="Analog Devices", Bandwidth (Hz)=65M, Code_JEDEC=MO-153AB, ComponentLink1Description="Manufacturer URL", ComponentLink1URL=http://www.analog.com/en/index.html, ComponentLink2Description=Datasheet, ComponentLink2URL=http://www.analog.com/static/imported-files/data_sheets/ADG728_729.pdf, ComponentLink3Description="Package Specification", ComponentLink3URL=http:/www.analog.com/static/imported-files/packages/36244347913743854010197452789RU16.pdf, DatasheetVersion="Rev. C", Max Analog Signal Range="0 to Vdd", Mounting Technology="Surface Mount", PackageDescription="16-Pin Thin Shrink Small Outline Package, Body 5 x 4.4 mm, Pitch 0.65 mm", PackageReference=RU-16, PackageVersion=Nov-02, Packing=Tube, PartNumber=ADG728BRUZ, Ron (ohms)=2.5, Supply V Guar Performance="Single_(+3V), Single_(+5V)"
IC800_1 IC800_2: library part CMP-0192-00211-1, "2-Wire High-Accuracy Temperature Sensor, Slave Address 000, 5-Pin SOT-23, -55°C to +125°C Temperature, Tape and Reel", Code_IPC=SOT23-5, DatasheetVersion="revD, Nov-2010", PackageDescription="5-Lead Plastic Small Outline Transistor (OT) [SOT-23]", PackageReference=SOT-23-OT5, PackageVersion="revBB, Aug-2009"
IC801_1 IC801_2: "Automotive 2-Mbit serial I²C  / bus EEPROM with 1 MHz clock", Manufacturer=STMicroelectronics, Operating Temperature="-40°C - +125°C", PnP Package=SO8N, Supplier Part Number 1=497-16238-1-ND, Automotive Qualified=True, ComponentLink1Description=Datasheet, ComponentLink1URL=http://www.st.com/content/ccc/resource/technical/document/datasheet/83/f4/3e/e4/4e/49/42/c5/DM00200595.pdf/files/DM00200595.pdf/jcr:content/translations/en.DM00200595.pdf, Part Name=M24M02-DWMN3TP/K, Part Number=M24M02-DWMN3TP/K, Supplier 1=Digikey, Supplier 2=Mouser, Supplier 3=Farnell, Supplier Part Number 2=511-M24M02-DWMN3TP/K, Supplier Part Number 3=2849971
IC900: library part CMP-0492-02715-1, "Micropower No-Opto Isolated Flyback Converter, 2.8 to 42 V, -40 to 150 degC, 8-Pin SOIC (S8E), RoHS, Tube", Output Current="3.6 A", PartNumber=LT8302, Temperature Max="150 degC", Temperature Min="-40 degC", ComponentLink1Description="Manufacturer URL", ComponentLink1URL=http://www.linear.com/, ComponentLink2Description=Datasheet, ComponentLink2URL=http://cds.linear.com/docs/en/datasheet/8302fa.pdf, ComponentLink3Description="Package Specification", ComponentLink3URL=http://cds.linear.com/docs/en/packaging/05081857_A_S8E.pdf, DatasheetVersion="Rev. A", Mounting Technology="Surface Mount", Number of Outputs=1, PackageDescription="8-Pin Plastic Small Outline Integrated Circuit Package, Body 4.90 x 3.90 mm, Pitch 1.27 mm", PackageVersion="Rev. A, 10/2013", Packing=Tube, RoHS=TRUE, VIN Max="42 V", VIN Min="2.8 V"
IC1400_1 IC1400_2: "18 Cell Multicell Battery Monitor, -40 to 125 degC, Pb-Free", Manufacturer="Linear Technology", Operating Temperature="-40°C - +125°C", PartNumber=LTC6811HG-1#PBF, PnP Package=QFP-64, Supplier Part Number 1=LTC6813HLWE-1#3ZZPBF-ND, Automotive Qualified=True, Battery Chemistry="Li-Ion, Li-Polymer, NiMH", ComponentLink1Description=Datasheet, ComponentLink1URL=http://www.linear.com/docs/59387, ComponentLink2Description=Datasheet, ComponentLink2URL=http://cds.linear.com/docs/en/datasheet/680412f.pdf, ComponentLink3Description="Package Specification", ComponentLink3URL=http://cds.linear.com/docs/en/packaging/05081887_0_G48.pdf, Mounting Technology="Surface Mount", Number of Cells="> 1000 V of stacked Li-Ion cells", PackageDescription="48-Pin Plastic SSOP, Body 12.8 x 5.3 mm, Pitch 0.5 mm", PackageReference=G-48, PackageVersion="Rev. Ã˜, 01/2011", Part Name=LTC6813HLWE-1#3ZZPBF, Part Number=LTC6813HLWE-1#3ZZPBF, RoHS=TRUE, Supplier 1=Digikey, Type of Charger="Battery Stack Monitor", Vin Max(V)=60